# Altium PCB netv2mvp-testhat-v1-route.PCBDOC (part 2 of 2) (continued)
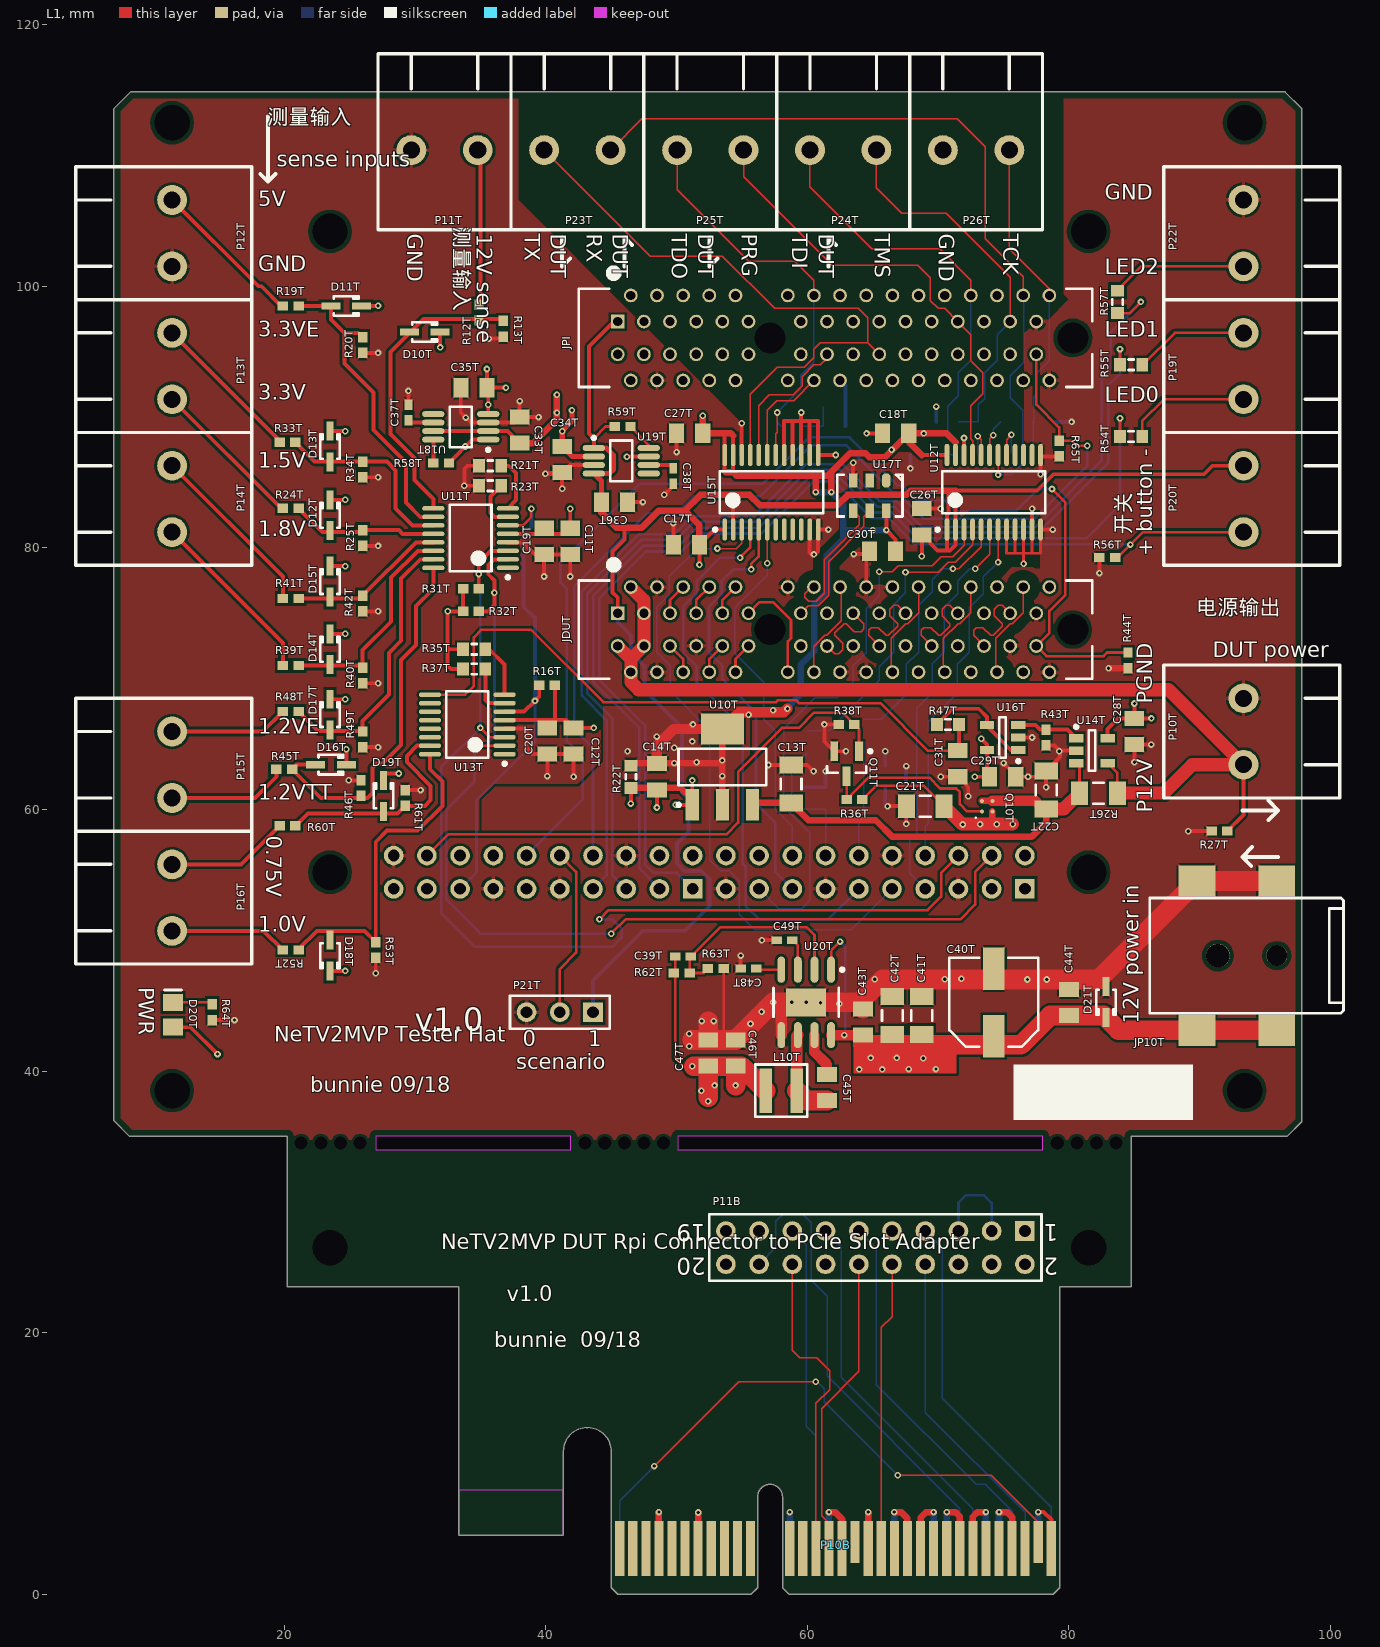
[diagram p0: L1 view]
## Nets (pads, with @x,y where several pads share a name; then routed paths per layer and width w, separated by ;. In a path a pad name is that pad's centre, name@x,y a point inside that pad or via, vN(x,y) a via of type N, cw(c..) or ccw(c..) an arc to the next point about the centre after c; other vN are vias at no path point) (continued)
  other v1: 33.85,87.75 35.6,90.95
P3.3VD: C17T.1 C26T.1 C36T.1 JDUT.A1 JPI.A1 P20T.2 P21T.1 R59T.2 U12T.1 U12T.2 U15T.1 U19T.1 U19T.4 | length 141
  L1 w0.2: 43.671,88.371 44.575,89.275 R59T.2@45.275,89.275
  L1 w0.3: U19T.1@43.671,87.63 43.671,88.371 43.3,88.742 43.3,95.4 45.2,97.3 JPI.A1@45.5,97.3 ; JDUT.A1@45.5,75 45.5,76.2 45.1,76.6 45.1,79.725 46.025,80.65 46.025,81.55 ; v1(51.75,78.7) C17T.1@51.75,80.25 52.9,81.4 U15T.1@53.675,81.4 ; v1(68.75,79.35) C26T.1@68.75,81 69.95,79.8 70.9,79.8 71.325,80.225 U12T.2@71.325,81.4 71.325,84.375 77.575,84.375 78.825,85.625 90.325,85.625 90.98,86.28 P20T.2@93.345,86.28 ; 70.675,79.825 U12T.1@70.675,81.4 70.675,82.5 70.8,82.625 70.8,84.375
  L1 w0.4: U19T.1@43.671,87.63 44.62,87.63 45.175,87.075 45.175,86 44.855,85.68 U19T.4@43.671,85.68 44.25,85.101 C36T.1@44.25,83.5
  L1 w0.5: C36T.1@44.25,83.5 44.25,82.7 45.4,81.55 46.025,81.55 47.35,81.55 48.65,82.85 50.625,82.85 ; C17T.1@51.75,80.25 51.75,81.725 50.625,82.85 ; 71.325,84.375 70.8,84.375 67.9,84.375 67.575,84.05 63.1,84.05 62.3,83.25 56.375,83.25 55.575,84.05 51.825,84.05 50.625,82.85
  L6 w0.3: P21T.1@43.61,44.5 43.61,46.91 47.425,50.725 50.65,50.725 52.525,52.6 52.525,54.68 51.905,55.3 50.6,55.3 50.025,55.875 50.025,57.4 50.9,58.275 50.9,60.8 50.4,61.3 50.4,66.275 47.55,69.125 47.55,70.975 46.525,72 46.525,73.3 45.5,74.325 JDUT.A1@45.5,75
P3.3VE_ADC: D13T.2 R33T.2 R34T.1 U11T.11 | length 14.9
  L1 w0.3: R33T.2@20.85,88.07 22.32,86.6 R34T.1@26,86.6 27.85,86.6 28.525,85.925 28.525,83.025 29.825,81.725 U11T.11@31.4,81.725
P3.3VE_SENSE: P13T.1 R33T.1 | length 11.8
  L1 w0.3: P13T.1@11.43,96.44 R33T.1@19.8,88.07
P5.0V: C33T.1 C34T.1 C39T.1 C46T.1 C47T.1 D20T.1 L10T.2 P18T.1 P18T.3 R62T.2 U18T.2 U18T.7 U19T.2 U19T.7 | length 43.8
  L1 w0.2: C39T.1@49.9,48.75 49.9,40.971 50.5,40.371 v1@51.3,40.371
  L1 w0.3: D20T.1@11.5,43.35 12.85,43.35 v1(14.9,41.3) ; U18T.7@31.4,88.925 U18T.2@35.6,88.925 37.075,88.925 C33T.1@38,88 ; v1(46.2,86.975) 46.205,86.98 U19T.7@47.871,86.98
  L1 w0.4: v1(42,90.525) 42,89.675 v1(41.25,88.925) C34T.1@41.25,87.75 42.02,86.98 U19T.2@43.671,86.98
  L1 w0.5: C33T.1@38,88 39.025,88 40.85,89.825 v1(40.85,90.325) v1(40.85,91.7)
  L1 w1.5: v1@51.3,40.371 C47T.1@52.41,40.371 ; 52.41,38.01 C47T.1@52.41,40.371 ; v1(54.51,38.9) C46T.1@54.51,40.371 ; L10T.2@56.815,38.5 54.944,40.371 C46T.1@54.51,40.371 ; C47T.1@52.41,40.371 C46T.1@54.51,40.371
  other v1: 52.41,37.7 51.9,38.5 52.9,38.9 51.2,40.371
P5V_ADC: D11T.2 R19T.2 R20T.1 U11T.10 | length 24
  L1 w0.3: R19T.2@21.1,98.5 D11T.2@23.575,98.5 23.575,97.465 24.6,96.44 ; R20T.1@26,96.1 25.66,96.44 24.6,96.44 ; U11T.10@31.4,82.375 30.4,82.375 29.3,83.475 29.3,86.525 26.825,89 26.825,91.875 24.6,94.1 24.6,96.44
P5V_SENSE: P12T.1 R19T.1 | length 11.7
  L1 w0.3: P12T.1@11.43,106.6 18.03,100 18.25,100 R19T.1@19.75,98.5
P12V: C21T.2 C40T.1 C41T.2 C42T.2 C43T.1 C44T.1 D21T.1 JP10T.1 Q10T.4 R36T.2 U20T.1 U20T.8 | length 59.4
  L1 w0.2: U20T.1@61.81,47.75 61.81,49.21 v1(62.5,49.9) ; R36T.2@64.2,60.75 65.25,61.8 68.91,61.8 C21T.2@70.46,60.25
  L1 w0.5: 74.15,58.875 Q10T.4@74.15,59.85
  L1 w0.8: U20T.8@61.81,42.75 v1(62.825,42.75) C43T.1@64.25,42.75
  L1 w1: C21T.2@70.46,60.25 71.835,58.875 74.15,58.875 v2@75.68,58.875
  L1 w1.5: 64.25,42 76.325,42 78.575,44.25 C44T.1@80,44.25 82.67,44.25 D21T.1@82.82,44.1 83.79,43.13 JP10T.1@89.785,43.13 JP10T.1@95.885,43.13
  L6 w0.2: v1(62.5,49.9) 62.9,49.5 62.9,42.825 v1(62.825,42.75)
  other v1: 63.975,40.125 65.725,40.125 67.75,40.15 69.825,40.15 68.85,40.971 64.85,41 66.825,41
  other v2: 71.875,58.85 73.2,58.875 74.475,58.875 75.7,58.875
P12V_ADC: D10T.2 R12T.2 R13T.1 U11T.9 | length 22.8
  L1 w0.3: U11T.9@31.4,83.025 31.4,83.75 29.95,85.2 29.95,86.875 28.125,88.7 28.125,94.975 30.65,97.5 R13T.1@36.6,97.5
P12V_DUT: JDUT.A2 JDUT.A3 JDUT.B1 JDUT.B2 JDUT.B3 P10T.1 R26T.2 R27T.1 U14T.4 | length 77.7
  L1 w0.2: U14T.4@82.95,63.55 83.7,62.8 R26T.2@83.7,61.25
  L1 w0.3: R27T.1@92.1,58.34 93.345,59.585 P10T.1@93.345,63.42
  L1 w1: JDUT.B1@45.5,72.5 46.5,71.5 ; JDUT.A2@46.5,77 47.5,76 JDUT.A3@47.5,75 JDUT.B3@47.5,72.5 46.5,71.5 ; R26T.2@83.7,61.25 87.25,61.25 89.42,63.42 P10T.1@93.345,63.42 87.615,69.15 47.1,69.15 46.5,69.75 JDUT.B2@46.5,70.5 46.5,71.5
P12V_DUT_ISENSE: C13T.2 C22T.2 Q10T.2 Q10T.3 R26T.1 U10T.3 U14T.3 | length 35.3
  L1 w0.2: R26T.1@80.8,61.25 U14T.3@80.8,63.3
  L1 w0.5: U10T.3@55.8,60.35 55.95,60.5 C13T.2@58.75,60.5 60.075,59.175 65.225,59.175 66.5,57.9 77.125,57.9 78.25,59.025 C22T.2@78.25,60.05 78,60.3 C22T.2@77.775,60.3 ; Q10T.2@73.35,60.65 Q10T.3@74.15,60.65
  L1 w0.8: Q10T.3@74.15,60.65 77.425,60.65 C22T.2@77.775,60.3
  L1 w1: C22T.2@78.25,60.05 79.6,60.05 R26T.1@80.8,61.25
P12V_SENSE: P11T.1 R12T.1 | length 11.7
  L1 w0.3: R12T.1@35,98.7 P11T.1@35,110.41
PCI_PRESENT: JDUT.B31 P17T.12 R44T.1 | length 90.2
  L1 w0.2: v1(78.7,84.5) 79.7,83.5 79.7,76.375 78.5,75.175 78.5,73.5 JDUT.B31@77.5,72.5 78.275,71.725 82.65,71.725 82.925,72 R44T.1@84.5,72
  L6 w0.2: P17T.12@38.53,56.47 42.825,60.765 42.825,64.05 41.6,65.275 41.6,76.875 41.125,77.35 41.125,78.85 47.175,84.9 56.575,84.9 60.125,88.45 63.225,88.45 66.9,84.775 67.225,84.775 68.35,83.65 70.5,83.65 71.35,82.8 75.95,82.8 77.65,84.5 v1(78.7,84.5)
PET0_N: JDUT.A17 JDUT.B15 | length 7.5
  L1 w0.1: JDUT.B15@61.5,72.5 62.1,71.9 62.4,71.9 62.7,72.2 62.7,72.7 62.1,73.3 62.1,73.5 62.8,74.2 62.975,74.2 63.575,73.6 64.1,73.6 64.3,73.8 64.3,74.2 JDUT.A17@63.5,75
PET0_P: JDUT.A16 JDUT.B14 | length 7.5
  L1 w0.1: JDUT.B14@60.5,70.5 60.5,72.455 61.345,73.3 61.476,73.3 62.6,74.424 62.6,76.9 JDUT.A16@62.5,77
PET1_N: JDUT.A22 JDUT.B20 | length 7.5
  L1 w0.1: JDUT.B20@66.5,70.5 66.4,70.6 66.4,73.076 67.524,74.2 67.655,74.2 68.5,75.045 JDUT.A22@68.5,77
PET1_P: JDUT.A21 JDUT.B19 | length 7.5
  L1 w0.1: JDUT.B19@65.5,72.5 64.7,73.3 64.7,73.7 64.9,73.9 65.425,73.9 66.025,73.3 66.2,73.3 66.9,74 66.9,74.2 66.3,74.8 66.3,75.3 66.6,75.6 66.9,75.6 JDUT.A21@67.5,75
PET2_N: JDUT.A26 JDUT.B24 | length 7.5
  L1 w0.1: JDUT.B24@70.5,70.5 70.4,70.6 70.4,73.076 71.524,74.2 71.655,74.2 72.5,75.045 JDUT.A26@72.5,77
PET2_P: JDUT.A25 JDUT.B23 | length 7.5
  L1 w0.1: JDUT.B23@69.5,72.5 68.7,73.3 68.7,73.7 68.9,73.9 69.425,73.9 70.025,73.3 70.2,73.3 70.9,74 70.9,74.2 70.3,74.8 70.3,75.3 70.6,75.6 70.9,75.6 JDUT.A25@71.5,75
PET3_N: JDUT.A30 JDUT.B28 | length 7.5
  L1 w0.1: JDUT.B28@74.5,70.5 74.4,70.6 74.4,73.076 75.524,74.2 75.655,74.2 76.5,75.045 JDUT.A30@76.5,77
PET3_P: JDUT.A29 JDUT.B27 | length 7.5
  L1 w0.1: JDUT.B27@73.5,72.5 72.7,73.3 72.7,73.7 72.9,73.9 73.425,73.9 74.025,73.3 74.2,73.3 74.9,74 74.9,74.2 74.3,74.8 74.3,75.3 74.6,75.6 74.9,75.6 JDUT.A29@75.5,75
REFCLK_N: JDUT.A14 U17T.4 | length 10.5
  L1 w0.1: JDUT.A14@60.35,76.85 60.14,76.85 59.8,76.51 59.8,76.215 60.09,75.925 60.675,75.925 61.275,76.525 61.275,79.1 63.96,81.785 63.96,82.39 U17T.4@63.5,82.85
REFCLK_P: JDUT.A13 U17T.5 | length 10.5
  L1 w0.1: JDUT.A13@59.5,75 60.075,75.575 60.82,75.575 61.625,76.38 61.625,78.955 64.31,81.64 64.31,82.39 U17T.5@64.77,82.85
RPI_ADCINT: P17T.15 R16T.1 U11T.6 U13T.6 | length 38.8
  L1 w0.2: U11T.6@37.1,81.725 38.255,81.725 38.9,82.37 v1(38.9,83)
  L1 w0.3: U13T.6@36.85,67.475 38.35,67.475 v1(39.175,68.3) 39.5,68.625 R16T.1@39.5,69.5
  L6 w0.2: P17T.15@33.45,53.93 34.7,55.18 34.7,60.7 39.175,65.175 v1(39.175,68.3)
  L6 w0.3: v1(38.9,83) 38.9,81.6 38.3,81 38.3,75.5 39.175,74.625 v1(39.175,68.3)
RPI_SCL: P18T.6 R31T.1 U11T.3 U13T.3 | length 82.3
  L1 w0.2: v1(35,66.235) 35.71,65.525 U13T.3@36.85,65.525 ; v1(44.1,51.6) 44.8,52.3 69.192,52.3 70.225,53.333 70.225,55.145 P18T.6@71.55,56.47
  L1 w0.3: R31T.1@34.875,76.875 v1(34.875,78) 34.875,78.875 35.775,79.775 U11T.3@37.1,79.775
  L6 w0.2: v1(34.875,78) 34.875,76.799 35,76.674 v1(35,66.235) 32,63.235 32,52.1 34.6,49.5 45.1,49.5 45.8,50.2 45.8,50.9 45.1,51.6 v1(44.1,51.6)
RPI_SDA: P18T.4 R32T.1 U11T.2 U13T.2 | length 80.8
  L1 w0.2: v1(34.55,64.875) U13T.2@36.85,64.875 ; v1(45,50.5) 46.1,51.6 71.7,51.6 72.825,52.725 72.825,55.205 P18T.4@74.09,56.47
  L1 w0.3: R32T.1@34.875,75.15 35.59,75.15 36.075,75.635 v1(36.075,76.572) 36.075,77.51 35.6,77.985 35.6,78.7 36.025,79.125 U11T.2@37.1,79.125
  L6 w0.2: v1(36.075,76.572) 36.075,65.575 35.375,64.875 v1(34.55,64.875) 34.55,62.15 32.4,60 32.4,53.1 35,50.5 v1(45,50.5)
SCENARIO: P17T.10 P21T.2 | length 13
  L1 w0.2: P21T.2@41.07,44.5 41.07,47.795 42.325,49.05 42.325,55.215 P17T.10@41.07,56.47
SS5.0: C48T.1 U20T.4 | length 1.8
  L1 w0.2: C48T.1@56.18,47.75 U20T.4@58,47.75
SW5.0: C45T.1 L10T.1 U20T.6 | length 6.9
  L1 w0.9: L10T.1@59.185,38.5 59.185,42.665 U20T.6@59.27,42.75
  L1 w1.5: L10T.1@59.185,38.5 59.935,37.75 C45T.1@61.5,37.75
UART0_RX: P18T.7 U12T.6 | length 30.7
  L1 w0.1: v1(72.825,78.4) 73.925,79.5 U12T.6@73.925,81.4
  L6 w0.1: P18T.7@69.01,53.93 67.825,55.115 67.825,57.65 68.375,58.2 68.375,67.75 69.55,68.925 69.55,71.125 70.475,72.05 70.475,75.475 71.5,76.5 71.5,77.5 72.4,78.4 v1(72.825,78.4)
UART0_TX: P18T.9 U15T.3 | length 50.3
  L1 w0.1: v1(53.125,79.95) 54.575,79.95 54.975,80.35 U15T.3@54.975,81.4
  L6 w0.1: v1(53.125,79.95) 51.575,79.95 49.45,77.825 49.45,76.425 48.475,75.45 48.475,72.025 49.5,71 49.5,69.075 52.55,66.025 52.55,56.125 53.375,55.3 54.025,55.3 54.8,54.525 54.8,51.975 55.975,50.8 63.34,50.8 P18T.9@66.47,53.93
VFB5.0: C39T.2 R62T.1 R63T.2 U20T.2 | length 16.1
  L1 w0.2: R63T.2@52.4,47.83 52.07,47.5 R62T.1@51,47.5 51,48.65 C39T.2@51.1,48.75 53.35,51 59.94,51 60.54,50.4 U20T.2@60.54,47.75
VREG5.0: C49T.1 U20T.3 | length 2.4
  L1 w0.2: C49T.1@58.85,50 59.27,49.58 U20T.3@59.27,47.75
pads on no net: JDUT.A19 JDUT.A32 JDUT.B17 JDUT.B30 JDUT.MH1 JDUT.MH2 JP10T.0 JPI.A2 JPI.A3 JPI.A4 JPI.A5 JPI.A6 JPI.A7 JPI.A8 JPI.A9 JPI.A10 JPI.A11 JPI.A13 JPI.A16 JPI.A17 JPI.A19 JPI.A21 JPI.A22 JPI.B1 JPI.B2 JPI.B3 JPI.B5 JPI.B6 JPI.B8 JPI.B9 JPI.B10 JPI.B11 JPI.B12 JPI.B17 JPI.B20 JPI.B23 JPI.B24 JPI.B27 JPI.B28 JPI.B30 JPI.MH1 JPI.MH2 P10B.A2 P10B.A3 P10B.A5 P10B.A6 P10B.A7 P10B.A8 P10B.A9 P10B.A10 P10B.A11 P10B.A13 P10B.A16 P10B.A17 P10B.A19 P10B.A21 P10B.A22 P10B.B1 P10B.B2 P10B.B3 P10B.B5 P10B.B6 P10B.B8 P10B.B9 P10B.B10 P10B.B11 P10B.B12 P10B.B13 P10B.B17 P10B.B20 P10B.B23 P10B.B24 P10B.B27 P10B.B28 P10B.B30 P11B.1 P11B.2 P11B.4 P11B.17 P11B.19 P17T.2 P17T.4 P17T.11 P17T.14 P17T.16 P17T.17 P17T.19 P18T.2 P18T.18 P18T.20 U11T.1 U12T.14 U12T.15 U12T.16 U13T.1 U13T.10 U13T.11 U13T.12 U13T.13 U13T.14 U15T.7 U15T.8 U15T.9 U15T.10 U17T.1 U17T.2 U18T.5 U19T.5

## Polygon pours and split planes (outlines as drawn)
GND on L6 "L6-GND" (solid, remove dead copper, pour order 6): 97.75,35 98,35.25 98,114.75 7,114.75 6.75,114.5 6.75,35
P12V on L6 "L6-P12V" (solid, remove dead copper, pour order 0): 63.1,39.25 71.175,39.25 78.525,46.6 78.525,58.225 76.925,59.825 71.8,59.825 69.1,57.125 69.1,49.4 63.3,43.6 63.3,39.55 63.65,39.2
GND on L1 "L1-GND" (solid, remove dead copper, pour order 4): 6.75,34.75 96.75,34.75 98.25,36.25 98.25,113 96.5,114.75 8.25,114.75 6.75,113.25
P3.3V_DUT on L1 "L1-P3.3V_DUT" (solid, remove dead copper, pour order 2): 44.4,68.2 44.4,63.64 42.51,61.75 36.12,61.75 35.1,60.73 35.1,58.1 53.925,58.1 55.575,59.75 55.575,68.125 55.5,68.2
GND on L2 (split plane): 97.489,113.46 97.489,36.245 96.545,35.301 85.25,35.301 85.151,35.368 85.034,35.426 84.909,35.468 84.781,35.494 84.65,35.502 20.309,35.502 20.178,35.494 20.049,35.468 19.925,35.426 19.808,35.368 19.708,35.301 8.305,35.301 7.286,36.32 7.286,113.46 8.38,114.554 96.395,114.554
BBGND on L2 (split plane): 190 vertices, not listed, extent 20.551,0.301 84.449,33.498
P5.0V on L5 (split plane): 88.898,104.258 88.898,72.042 86.158,69.302 75.4,69.302 75.361,69.294 75.328,69.272 71.628,65.572 71.606,65.539 71.598,65.5 71.598,62.6 71.606,62.561 71.628,62.528 73.628,60.528 73.661,60.506 73.7,60.498 83.8,60.498 83.839,60.506 83.872,60.528 90.072,66.728 90.094,66.761 90.102,66.8 90.102,68.858 91.742,70.498 97.489,70.498 97.489,36.245 96.545,35.301 85.4,35.301 85.301,35.368 85.184,35.426 85.059,35.468 84.931,35.494 84.8,35.502 20.25,35.502 20.119,35.494 19.991,35.468 19.866,35.426 19.749,35.368 19.65,35.301 8.305,35.301 7.286,36.32 7.286,42.098 28,42.098 28.039,42.106 28.072,42.128 32.272,46.328 32.294,46.361 32.302,46.4 32.302,57.958 38.942,64.598 43.2,64.598 43.239,64.606 43.272,64.628 44.672,66.028 44.694,66.061 44.702,66.1 44.702,68.4 44.694,68.439 44.672,68.472 42.222,70.922 42.222,74.268 43.572,75.618 43.594,75.651 43.602,75.69 43.602,83.3 43.594,83.339 43.572,83.372 40.102,86.842 40.102,104.058 43.742,107.698 85.458,107.698
P3.3VA on L5 (split plane): 97.489,113.46 97.489,70.702 91.7,70.702 91.661,70.694 91.628,70.672 89.928,68.972 89.906,68.939 89.898,68.9 89.898,66.842 83.758,60.702 73.742,60.702 71.802,62.642 71.802,65.458 75.442,69.098 86.2,69.098 86.239,69.106 86.272,69.128 89.072,71.928 89.094,71.961 89.102,72 89.102,104.3 89.094,104.339 89.072,104.372 85.572,107.872 85.539,107.894 85.5,107.902 43.7,107.902 43.661,107.894 43.628,107.872 39.928,104.172 39.906,104.139 39.898,104.1 39.898,86.8 39.906,86.761 39.928,86.728 43.398,83.258 43.398,75.732 42.048,74.382 42.026,74.349 42.018,74.31 42.018,70.88 42.026,70.841 42.048,70.808 44.498,68.358 44.498,66.142 43.158,64.802 38.9,64.802 38.861,64.794 38.828,64.772 32.128,58.072 32.106,58.039 32.098,58 32.098,46.442 27.958,42.302 7.286,42.302 7.286,113.46 8.38,114.554 96.395,114.554
BBGND on L5 (split plane): 190 vertices, not listed, extent 20.551,0.301 84.449,33.498
P3.3V_DUT on L5 (split plane): 71.349,87.712 71.349,85.813 67.893,82.357 67.869,82.326 67.863,82.311 67.854,82.289 67.849,82.25 67.849,78.95 67.854,78.911 67.863,78.889 67.869,78.874 67.893,78.843 69.349,77.387 69.349,76.681 68.393,75.725 68.369,75.694 68.354,75.657 68.349,75.618 68.349,71.938 67.393,70.982 67.369,70.951 67.354,70.914 67.349,70.875 67.349,64.813 60.876,58.34 46.374,58.34 45.651,59.063 45.651,62.312 51.607,68.268 51.631,68.299 51.646,68.336 51.651,68.375 51.651,69.272 51.651,71 51.646,71.039 51.631,71.076 51.607,71.107 50.651,72.063 50.651,75.457 51.607,76.413 51.631,76.444 51.646,76.481 51.651,76.52 51.651,78.05 51.646,78.089 51.631,78.126 51.607,78.157 51.151,78.613 51.151,90.037 52.463,91.349 67.712,91.349

## Keep-outs
TopSolder:
  rectangle: 33.35,4.5 41.35,7.95
BottomSolder:
  rectangle: 33.35,4.5 41.35,7.95
KeepOutLayer:
  rectangle: 33.35,4.5 41.35,7.95

## Other copper
L1:
  rectangle net P12V: 63.525,39.8 71.4,42.275
  pour cut-out: 77.8,82.929 72.412,82.929 69.208,79.725 65.864,79.725 64.663,78.524 64.75,78.438 64.75,77.189 74.3,77.189 75.636,78.526 77.284,78.526 77.408,78.401 77.806,78.401
  pour cut-out: 74.5,82.637
  pour cut-out: 57.389,89 57.575,88.814 57.575,85.85 57.726,85.699 60.754,85.699 60.754,88.829 60.825,88.899
  pour cut-out: 37.896,114.5 37.896,106.604 54.75,89.75 54.75,87.324 76.085,87.324 76.8,88.038 76.596,88.243 76.596,96.398 77.648,97.45 78.444,97.45 80,99.006 79.609,99.397 79.609,114.358 79.466,114.5
L6:
  pour cut-out: 72.519,85.625 73.65,84.494 76.505,84.494 78.735,86.725 78.735,92.202 79.75,93.216 79.75,100.066 78.816,101 72.52,101 70.508,98.988 70.508,92.475 68.724,90.691 68.724,85.625
  pour cut-out: 56.287,88.25 61.6,88.25 62,88.65 62,100.297 61.297,101 59.712,101 58.866,100.154 58.866,94.926 56.287,92.348
  pour cut-out: 70.22,79.574 71.37,80.725 75.5,80.725 75.855,80.37 75.855,76.276 73.5,73.921 73.5,68.689 70.134,65.323 70.134,52.289 67.746,49.9 55.041,49.9 50.4,54.541 50.4,66.418 47.108,69.71 47.108,78.332 49.923,81.147 56.265,81.147 57.838,79.574
L2 (plane layer: these items are gaps in the copper):
  lines w2: 20.309,34.5 84.65,34.5
L5 (plane layer: these items are gaps in the copper):
  lines w0.2: 6.985,42.2 28,42.2 32.2,46.4 32.2,58 38.9,64.7 43.2,64.7 44.6,66.1 44.6,68.4 42.12,70.88 42.12,74.31 43.5,75.69 43.5,83.3 40,86.8 40,104.1 43.7,107.8 85.5,107.8 89,104.3 89,72 86.2,69.2 75.4,69.2 71.7,65.5 71.7,62.6 73.7,60.6 83.8,60.6 90,66.8 90,68.9 91.7,70.6 97.8,70.6
  lines w0.3: 45.5,59 46.311,58.189 60.939,58.189 67.5,64.75 67.5,70.875 68.5,71.875 68.5,75.618 69.5,76.618 69.5,77.45 68,78.95 68,82.25 71.5,85.75 71.5,87.775 67.775,91.5 52.4,91.5 51,90.1 51,78.55 51.5,78.05 51.5,76.52 50.5,75.52 50.5,72 51.5,71 51.5,69.272 51.5,68.375 45.5,62.375 45.5,59.063
  lines w2: 20.25,34.5 84.8,34.5

## Silkscreen, mask and mechanical layers (free items; w line width, h text height)
TopOverlay:
  rectangle: 75.75,36.25 89.5,40.5
  lines w0.3: 18.171,108.579 18.75,108 ; 18.75,113 18.75,108 ; 19.329,108.579 18.75,108 ; 41.25,103.75 41.25,101.5 41.87,102.12 ; 46.01,101.5 46.01,103.75 46.589,103.171 ; 52.5,103.75 52.5,101.5 53.12,102.12 ; 61.61,101.5 61.61,103.75 62.189,103.171 ; 93.25,59.935 96,59.935 ; 93.935,55.685 93.25,56.37 ; 94,57.12 93.25,56.37 ; 95.25,59.185 96,59.935 ; 95.25,60.685 96,59.935 ; 96,56.37 93.25,56.37 ; 18.75,108 18.75,108 ; 96,59.935 96,59.935
  text "测量输入" at 18.75,112 h2
  text "sense inputs" at 19.45,108.75 h2
  text "GND" at 82.75,106.25 h2
  text "5V" at 18,105.75 h2
  text "测量输入" at 32.65,104.5 h2 r270
  text "GND" at 29.024,104 h2 r270
  text "12V sense" at 34.35,104 h2 r270
  text "DUT / TX" at 38,104 h2 r270
  text "DUT / RX" at 42.75,104 h2 r270
  text "DUT / TDO" at 49.265,104 h2 r270
  text "PRG" at 54.6,104 h2 r270
  text "DUT / TDI" at 58.475,104 h2 r270
  text "TMS" at 64.75,104 h2 r270
  text "GND" at 69.65,104 h2 r270
  text "TCK" at 74.575,104 h2 r270
  text "GND" at 18,100.75 h2
  text "LED2" at 82.75,100.55 h2
  text "3.3VE" at 18,95.75 h2
  text "LED1" at 82.75,95.75 h2
  text "3.3V" at 18,90.95 h2
  text "LED0" at 82.75,90.75 h2
  text "1.5V" at 18,85.75 h2
  text "开关" at 85.1,81 h2 r90
  text "1.8V" at 18,80.5 h2
  text "+ button -" at 86.75,79.35 h2 r90
  text "电源输出" at 89.75,74.5 h2
  text "DUT power" at 91,71.25 h2
  text "PGND" at 86.75,68.1 h2 r90
  text "1.2VE" at 18,65.4 h2
  text "1.2VTT" at 18,60.35 h2
  text "P12V" at 86.75,59.75 h2 r90
  text "0.75V" at 18.25,58 h2 r270
  text "1.0V" at 18,50.25 h2
  text "PWR" at 8.5,46.424 h2 r270
  text "12V power in" at 85.7,43.625 h2 r90
  text "v1.0" at 30,42.5 h3
  text "NeTV2MVP Tester Hat" at 19.25,41.875 h2
  text "0" at 38.25,41.5 h2
  text "1" at 43.25,41.5 h2
  text "scenario" at 37.75,39.75 h2
  text "bunnie 09/18" at 22,38 h2
  text "NeTV2MVP DUT Rpi Connector to PCIe Slot Adapter" at 32,26 h2
  text "v1.0" at 37,22 h2
  text "bunnie  09/18" at 36.075,18.5 h2
BottomOverlay:
  circle w0.2: c39.625,76.3 r0.811
  circle w0.2: c76.125,21.13 r0.811
  rectangle: 18.5,38 35.053,44
  rectangle: 34.25,26.25 49.25,31.5
  text "c  2018 Alphamax LLC" at 40.037,75.841 h2
  text "Copyrights: CERN OHL v1.2" at 40.137,73.791 h2
  text "Patents: Apache 2.0" at 40.1,71.85 h2
  text "bunnie@alphamaxmedia.com" at 40.1,70.15 h1.5
  text "c  2018 Alphamax LLC" at 76.537,20.671 h2
  text "Copyrights: CERN OHL v1.2" at 76.637,18.621 h2
  text "Patents: Apache 2.0" at 76.6,16.68 h2
  text "bunnie@alphamaxmedia.com" at 76.6,14.98 h1.5
PCI-SIG Outline:
  lines w0.1: 6.985,36.195 6.985,113.585 8.255,114.855 96.52,114.855 97.79,113.585 97.79,36.12 96.67,35 84.75,35 84.75,32.75 84.75,23.5 79.3,23.5 79.3,0.5 78.8,0 58.6,0 58.1,0.5 58.1,7.45 ccw(c57.15,7.45) 56.2,7.45 56.2,0.5 55.7,0 45.5,0 45,0.5 45,10.925 ccw(c43.175,10.925) 41.35,10.925 41.35,4.5 33.35,4.5 33.35,23.5 20.25,23.5 20.25,32.75 20.25,35 16,35 8.18,35 6.985,36.195 ; 27,34 41.9,34 41.9,35 27,35 27,34 ; 50.1,34 78,34 78,35 50.1,35 50.1,34
Mechanical2:
  lines w0.1: 52.5,21.1 52.5,29.4 ; 52.5,21.5 81.5,21.5 ; 57.15,7.45 57.15,84.575 ; 81.5,21.2 81.5,26.5 81.5,86.65
Mechanical3:
  drawing of 4001 lines, arcs and shapes, not listed
  text "Layer" at 119.87,131.118 h1.52
  text "Name" at 130.282,131.118 h1.52
  text "Material" at 152.374,131.118 h1.52
  text "Thickness" at 174.212,131.118 h1.52
  text "Constant" at 190.718,131.118 h1.52
  text "Board Layer Stack" at 205.192,131.118 h1.52
  text "1" at 119.87,128.07 h1.52
  text "TopOverlay" at 130.282,128.07 h1.52
  text "2" at 119.87,125.022 h1.52
  text "TopSolder" at 130.282,125.022 h1.52
  text "Solder Resist" at 152.374,125.022 h1.52
  text "0.010mm" at 174.212,125.022 h1.52
  text "3.5" at 190.718,125.022 h1.52
  text "3" at 119.87,121.974 h1.52
  text "L1" at 130.282,121.974 h1.52
  text "Copper" at 152.374,121.974 h1.52
  text "0.045mm" at 174.212,121.974 h1.52
  text "4" at 119.87,118.926 h1.52
  text "Dielectric1" at 130.282,118.926 h1.52
  text "FR-4" at 152.374,118.926 h1.52
  text "0.100mm" at 174.212,118.926 h1.52
  text "4.3" at 190.718,118.926 h1.52
  text "5" at 119.87,115.878 h1.52
  text "L2" at 130.282,115.878 h1.52
  text "Copper" at 152.374,115.878 h1.52
  text "0.036mm" at 174.212,115.878 h1.52
  text "6" at 119.87,112.83 h1.52
  text "Dielectric4" at 130.282,112.83 h1.52
  text "FR-4" at 152.374,112.83 h1.52
  text "1.200mm" at 174.212,112.83 h1.52
  text "4.3" at 190.718,112.83 h1.52
  text "7" at 119.87,109.782 h1.52
  text "L5" at 130.282,109.782 h1.52
  text "Copper" at 152.374,109.782 h1.52
  text "0.036mm" at 174.212,109.782 h1.52
  text "8" at 119.87,106.734 h1.52
  text "Dielectric5" at 130.282,106.734 h1.52
  text "FR-4" at 152.374,106.734 h1.52
  text "0.100mm" at 174.212,106.734 h1.52
  text "4.2" at 190.718,106.734 h1.52
  text "9" at 119.87,103.686 h1.52
  text "L6" at 130.282,103.686 h1.52
  text "Copper" at 152.374,103.686 h1.52
  text "0.045mm" at 174.212,103.686 h1.52
  text "10" at 119.87,100.638 h1.52
  text "BottomSolder" at 130.282,100.638 h1.52
  text "Solder Resist" at 152.374,100.638 h1.52
  text "0.010mm" at 174.212,100.638 h1.52
  text "3.5" at 190.718,100.638 h1.52
  text "11" at 119.87,97.59 h1.52
  text "BottomOverlay" at 130.282,97.59 h1.52
  text "Impedance control: 50 ohm = 0.1mm +/- 10%" at 119.4,92.025 h1.5
  text "Soldermask: green" at 117.75,87.25 h1.5
  text "Silkscreen: white" at 119.25,84.05 h1.5
  text "Finish: HASL except on gold fingers as indicated in drawing" at 117.75,69.75 h1.5
  text "Edge connector bevel instructions and target board width" at 9.8,-16.45 h0.7
  text "15u\" gold on fingers" at 9.9,-19.25 h1
PCI-SIG Notes:
  text "- Nominal values used, dimensions in mm" at 104.4,63.184 h1.52
  text "- The mounting holes and keep-out areas around them are only required when the I/O bracket is mounted on the card directly" at 104.4,61.406 h1.52
  text "- Component height rule and clearance rule derived from PCI_Express_CEM_r2.0.pdf, Page 84." at 104.4,59.628 h1.52
  text "- Stackup is not specified in PCI_Express_CEM_r2.0.pdf, nor implemented in this template." at 104.4,57.85 h1.52
DrillDrawing:
  text ".LEGEND" at 225.25,59.352 h1
  text "Drilling Details." at 225.25,57.523 h1

## Text inside footprints (layer, text, board x,y; h text height)
P11B: TopOverlay "20" at 52.246,25.738 h1.27 r180; TopOverlay "19" at 52.246,28.278 h1.27 r180; TopOverlay "1" at 79.17,28.278 h1.27 r180; TopOverlay "2" at 79.17,25.738 h1.27 r180
P17T: BottomOverlay "2" at 53.77,55.962 h1.27; BottomOverlay "1" at 53.77,53.422 h1.27; BottomOverlay "19" at 26.846,53.422 h1.27; BottomOverlay "20" at 26.846,55.962 h1.27
P18T: BottomOverlay "2" at 79.17,55.962 h1.27; BottomOverlay "1" at 79.17,53.422 h1.27; BottomOverlay "19" at 52.246,53.422 h1.27; BottomOverlay "20" at 52.246,55.962 h1.27